# Altium PCB HYDRA_V3_BEACON.PcbDoc (part 1 of 2)
Units mm, origin at the board's own origin, x right, y up, seen from the top; angles counter-clockwise.
Board outline 50 x 45 mm, 6 copper layers (Top Layer, GND, PWR, INT_SIG_1, INT_SIG_2, Bottom Layer), stack 0.816 mm thick; 172 components, 120 nets, 610 pads, 494 vias.
Unrouted connection lines stored in the file: 17.
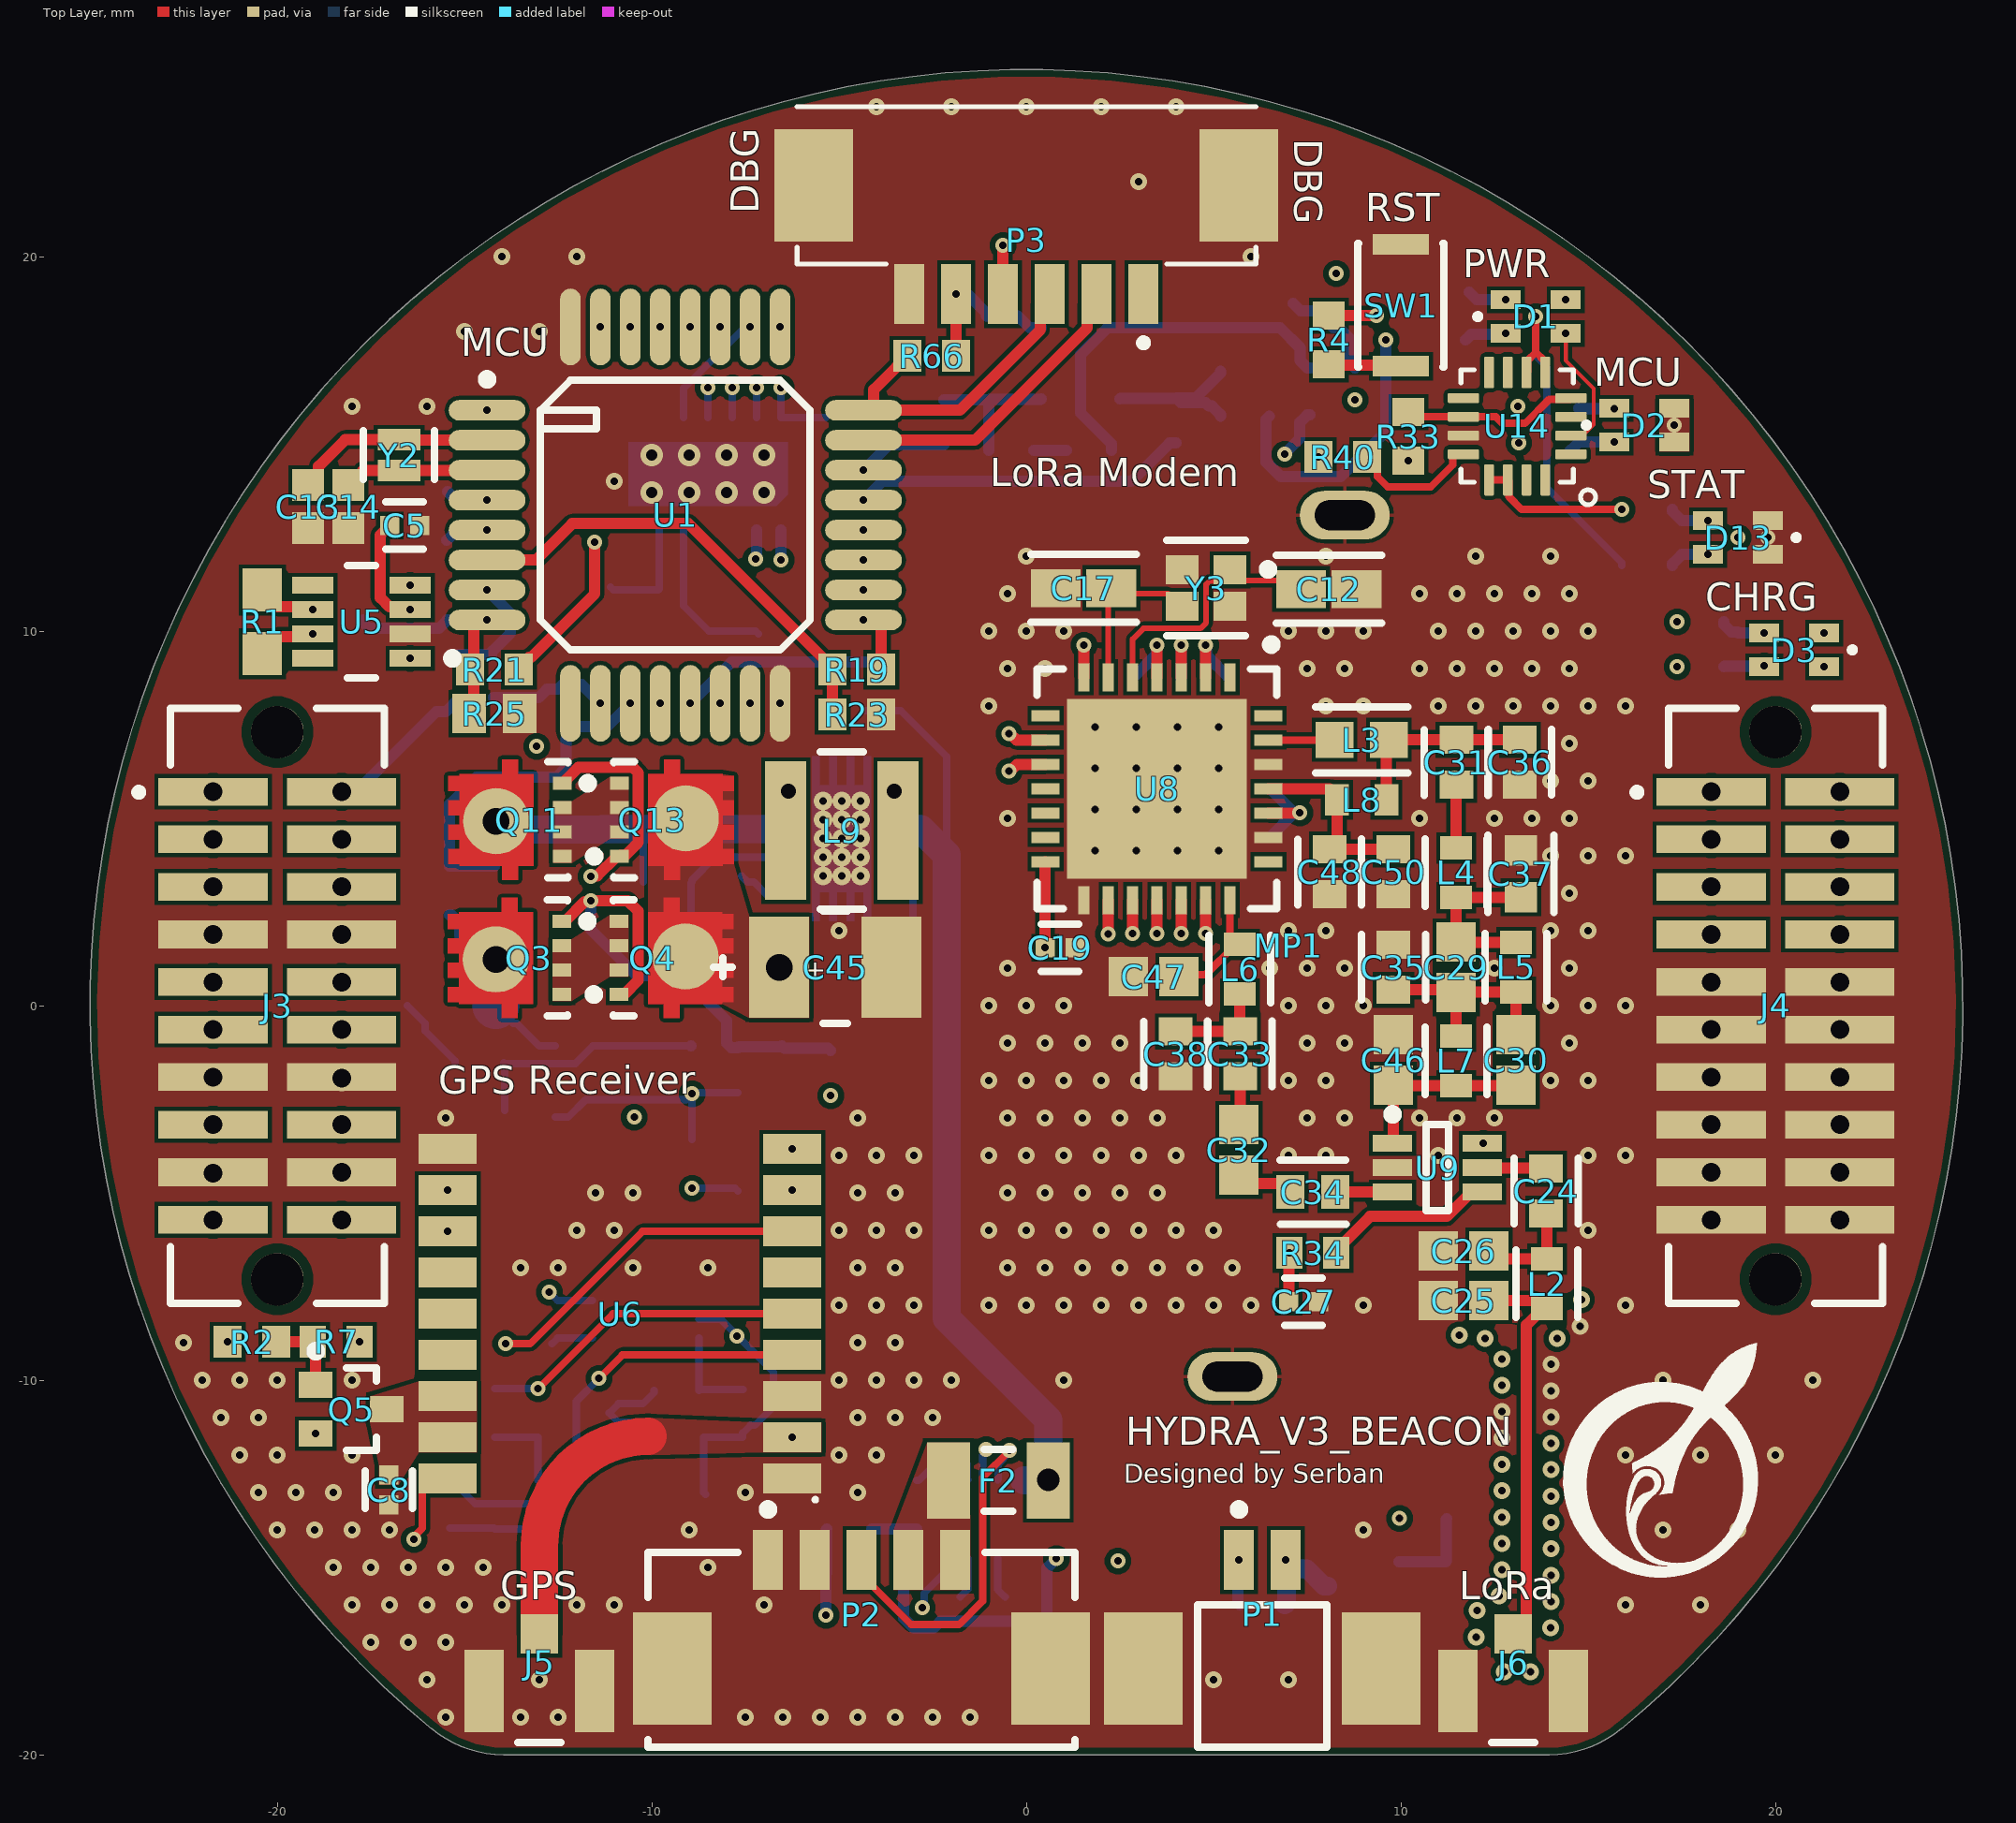
[diagram p0: Top Layer view]
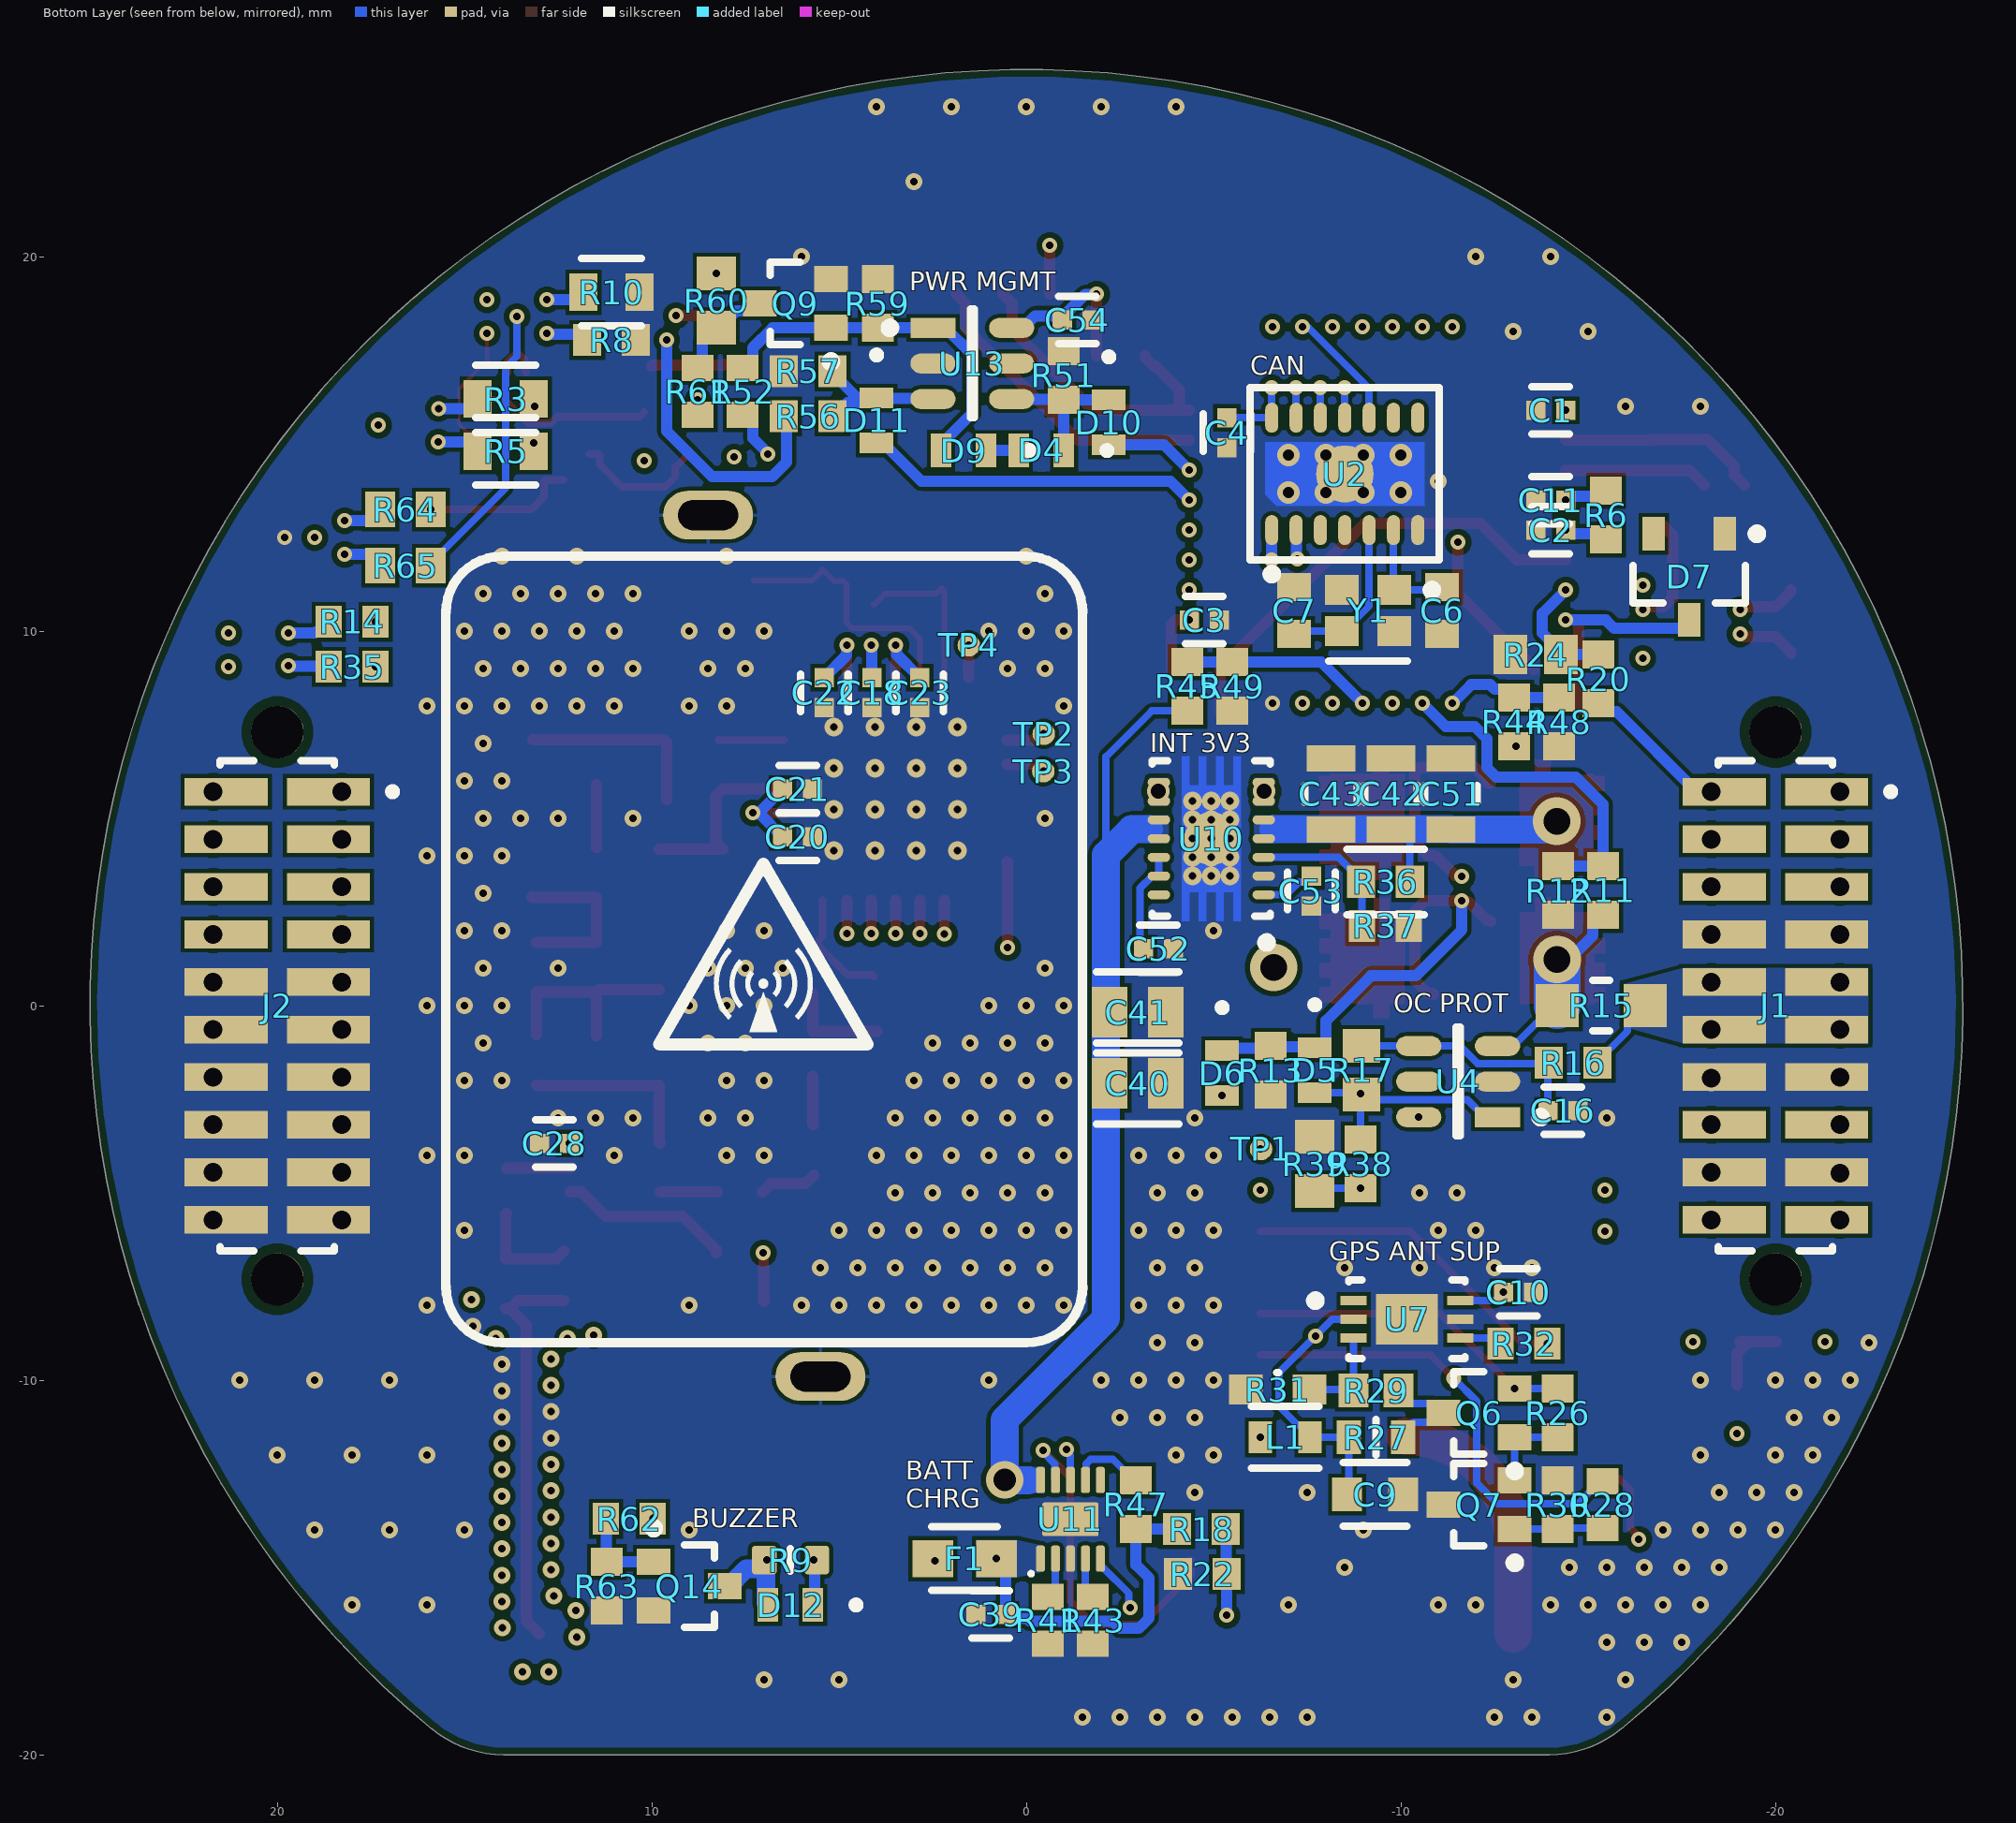
[diagram p1: Bottom Layer view, seen from below]
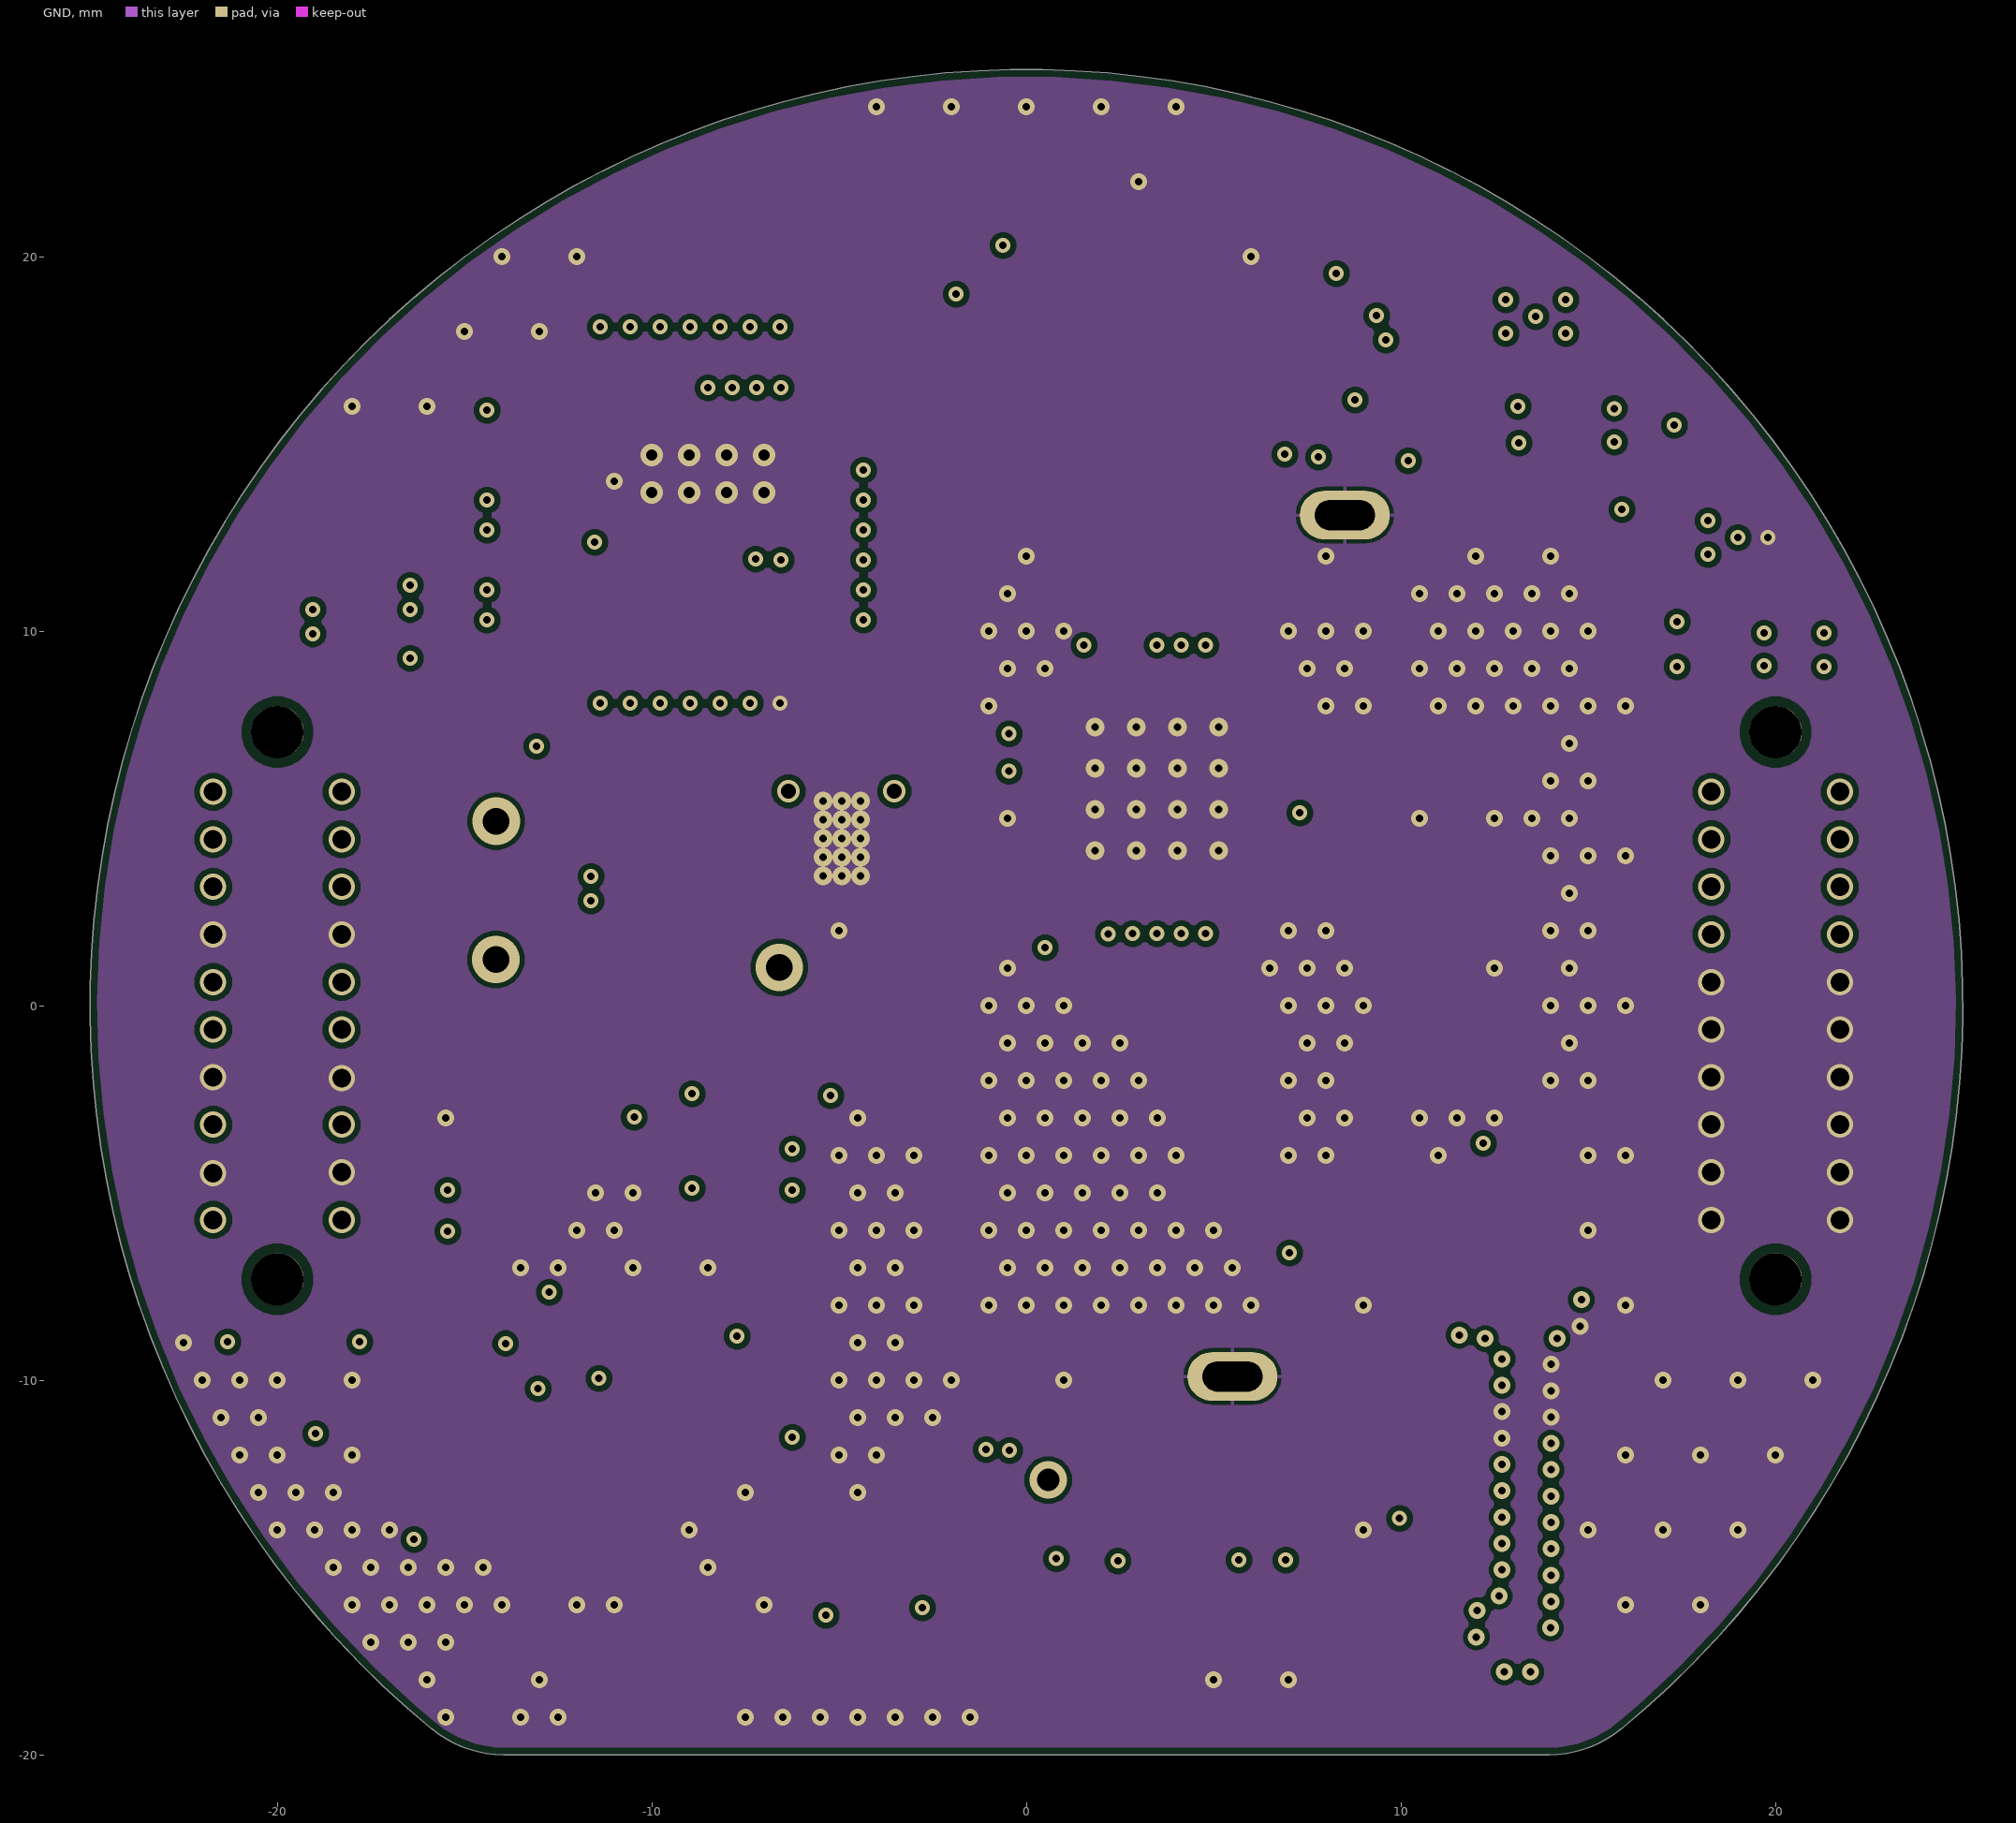
[diagram p2: GND]
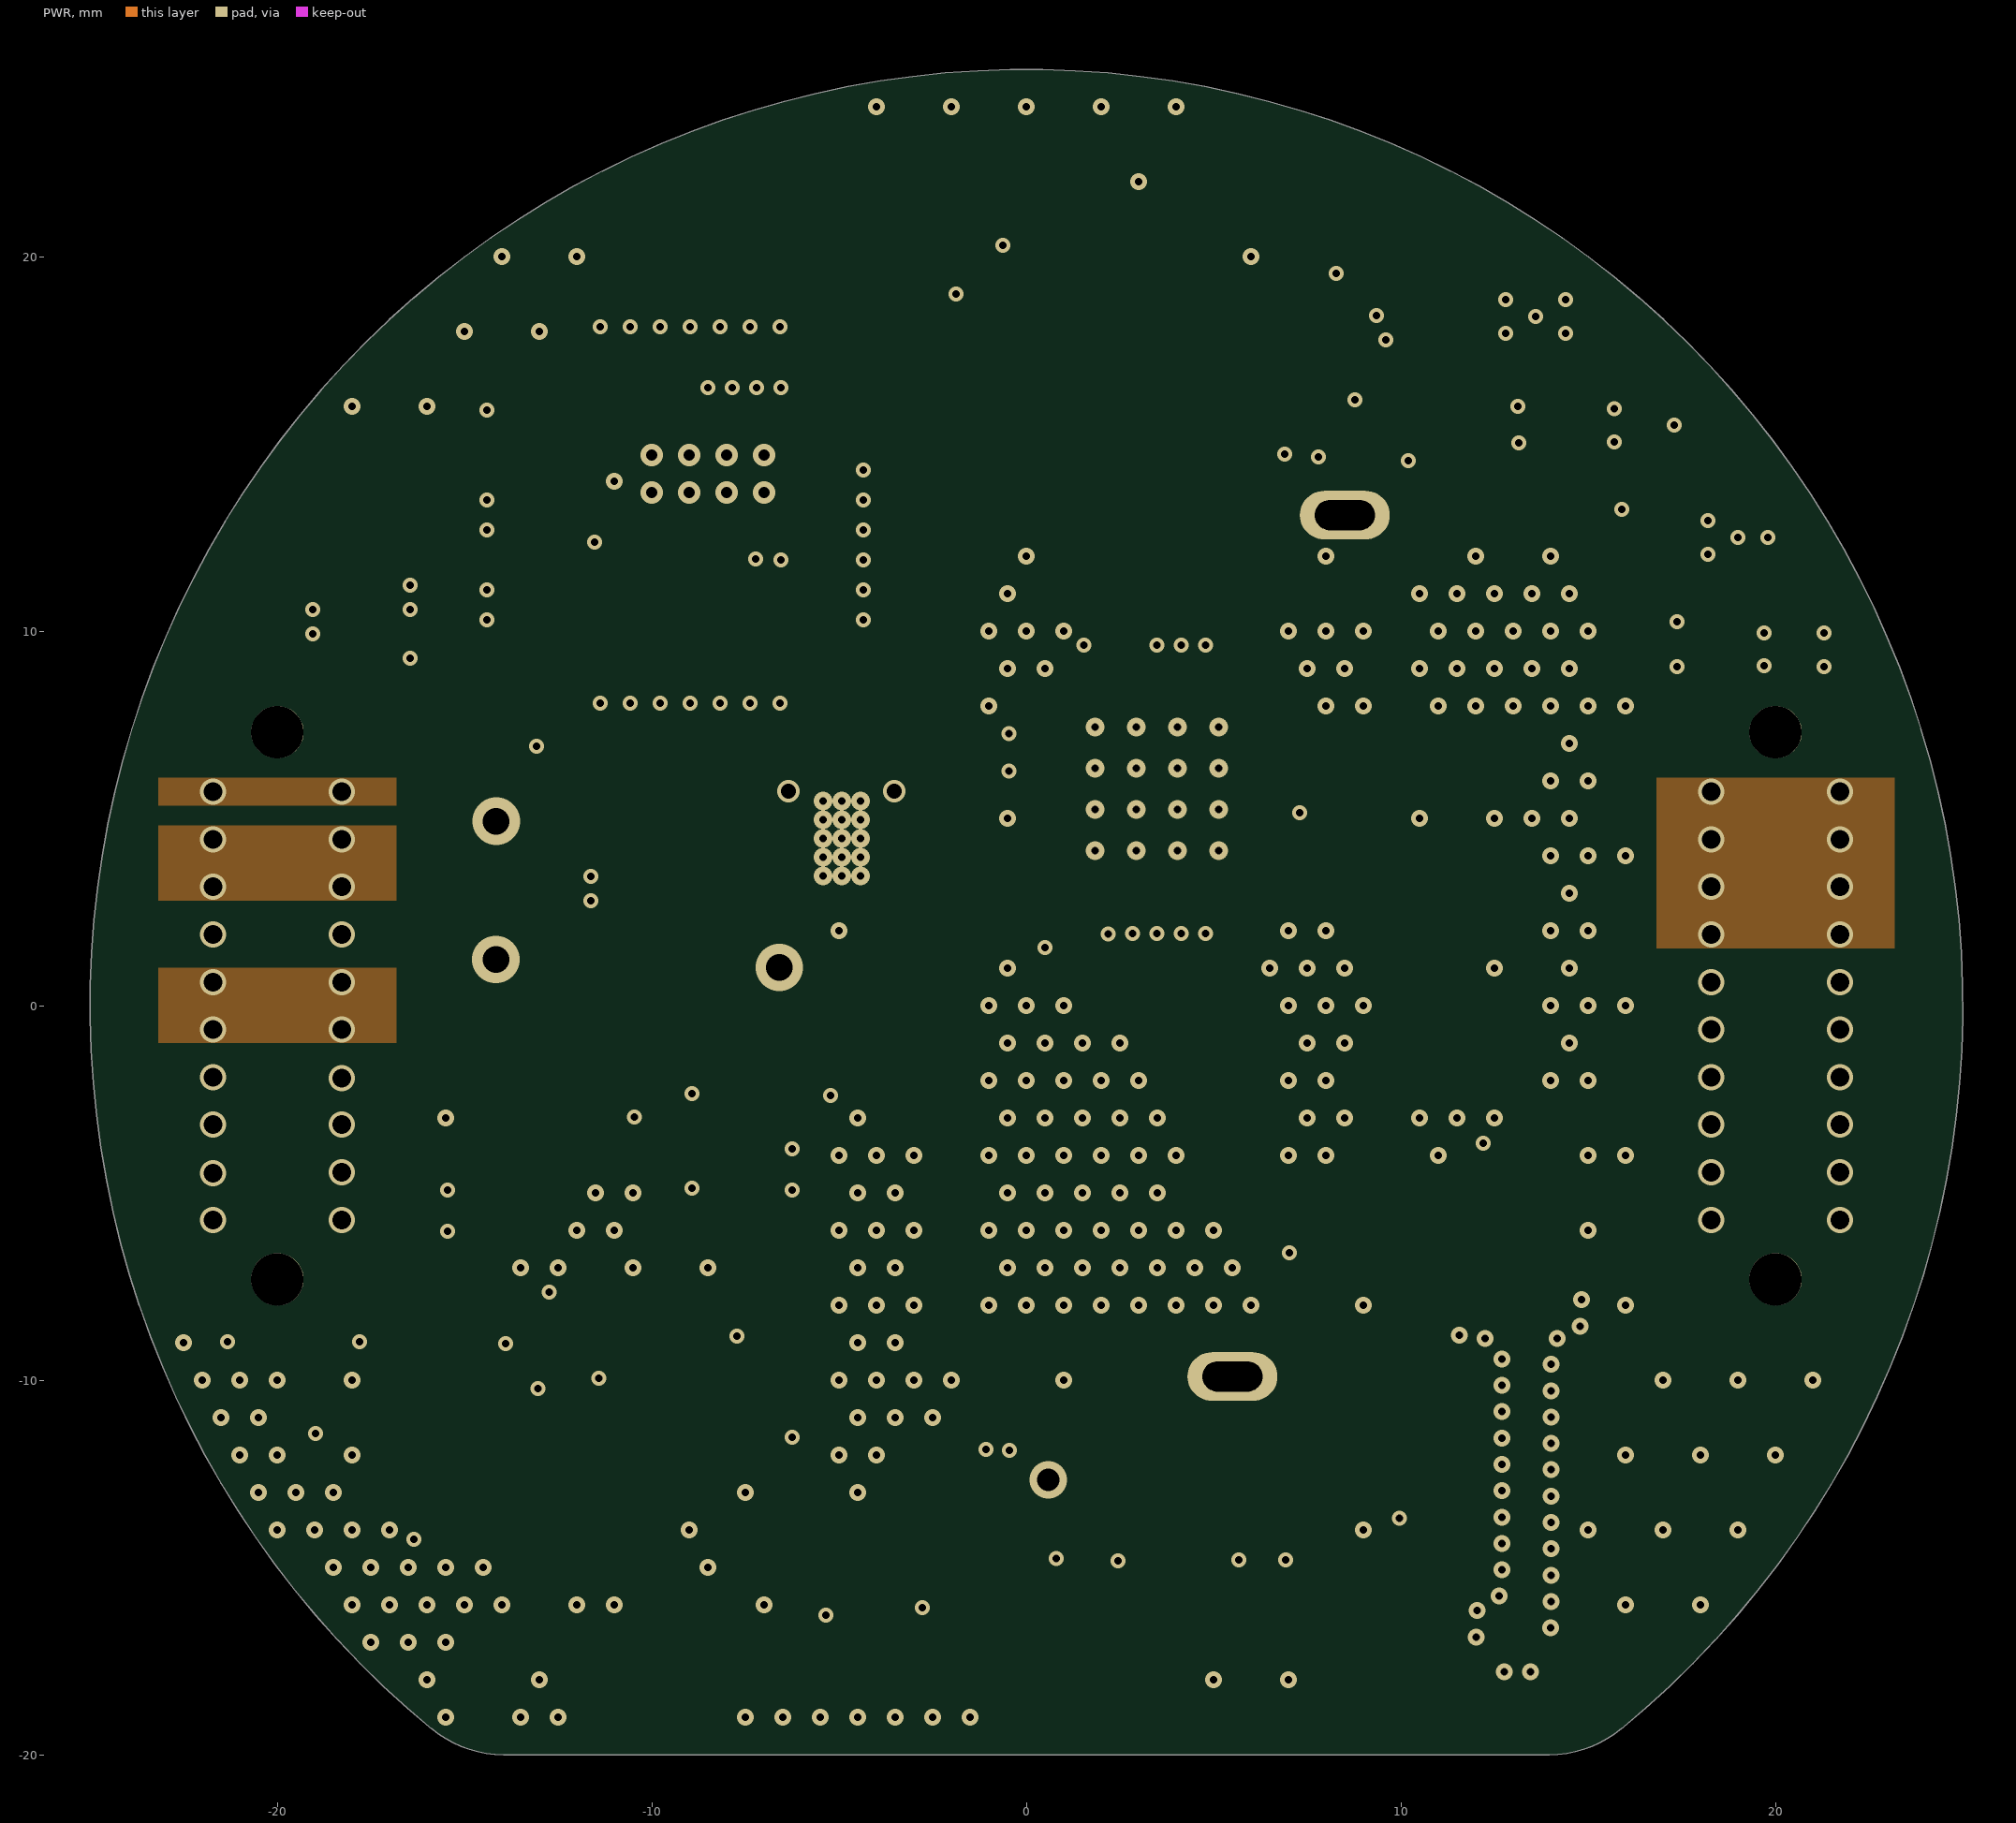
[diagram p3: PWR]